# Altium PCB Arduino_FPGA_Shield.PcbDoc (part 1 of 2)
Units mil, origin at the board's own origin, x right, y up, seen from the top; angles counter-clockwise.
Board outline 2700 x 2100 mil, 4 copper layers (Top, PWR, GND, Bottom), stack 79.645 mil thick; 120 components, 174 nets, 571 pads, 258 vias.
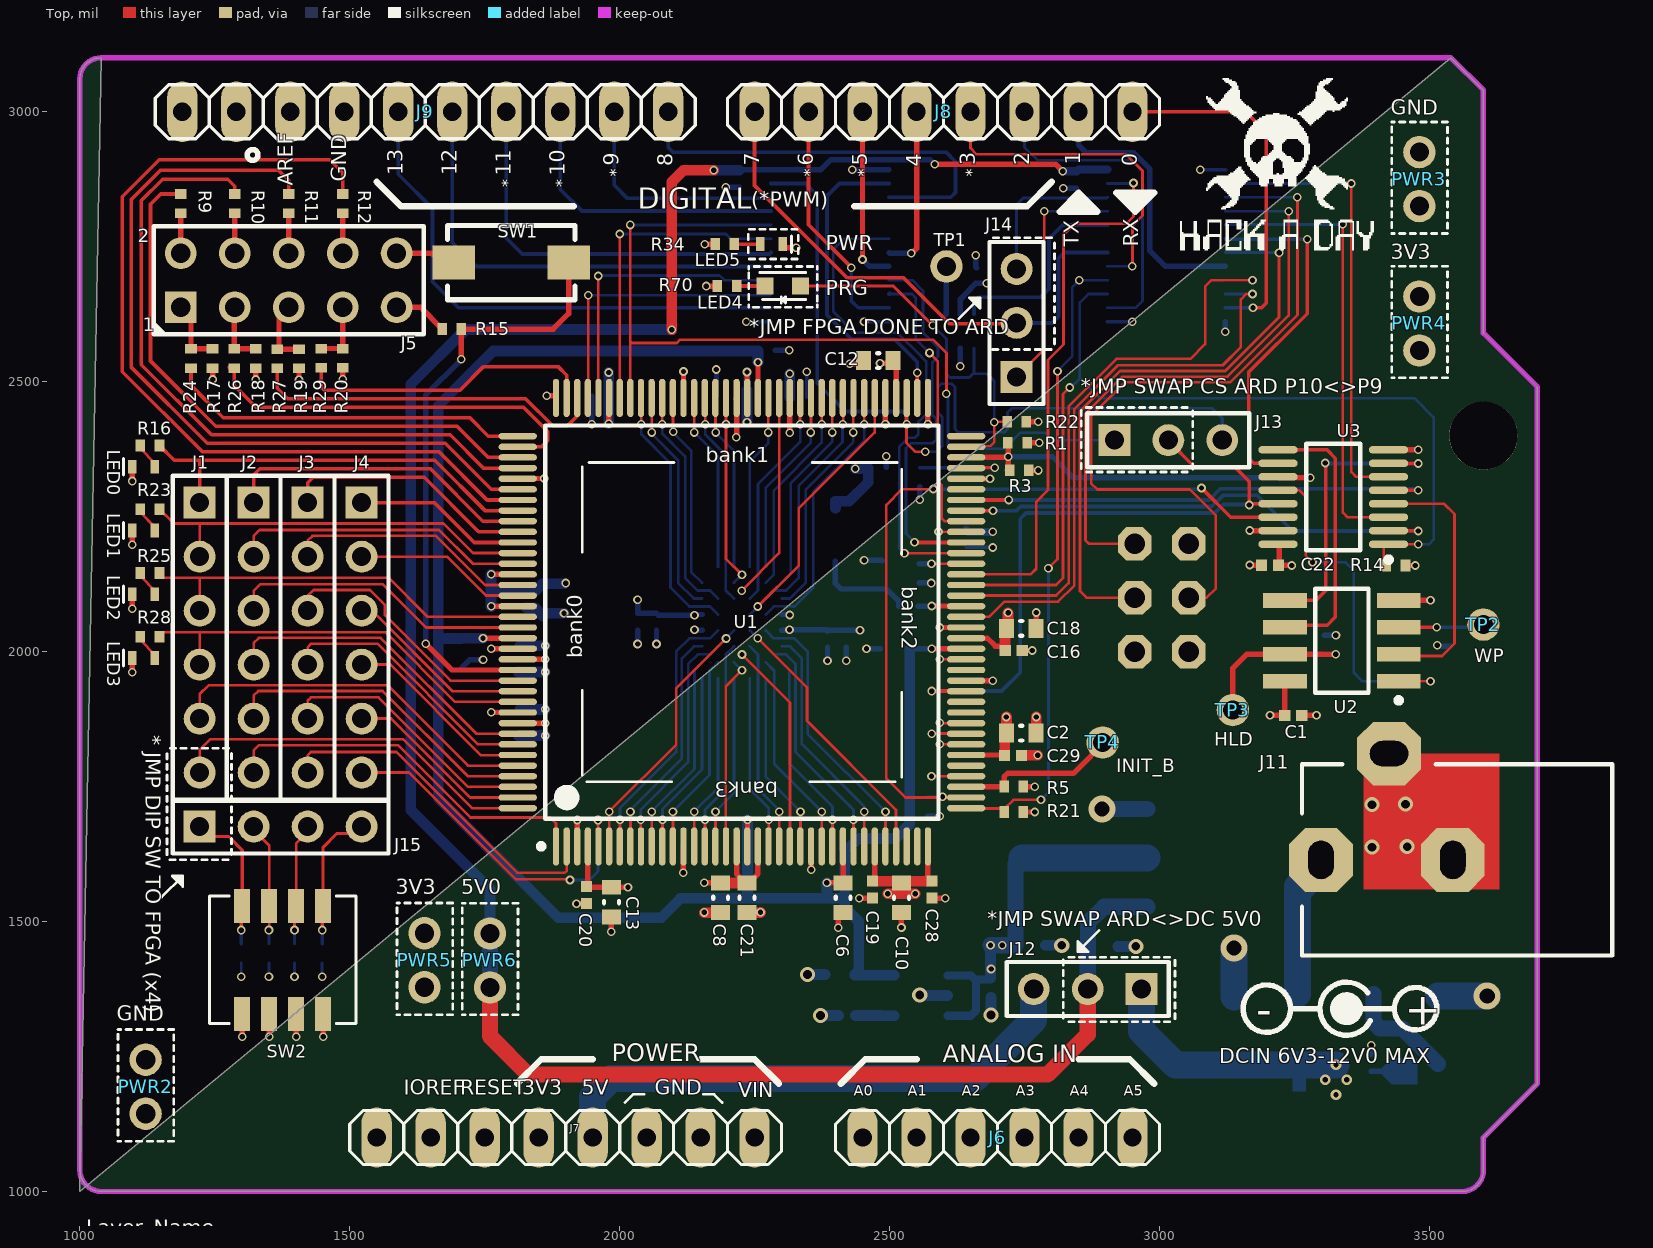
[diagram p0: Top view]
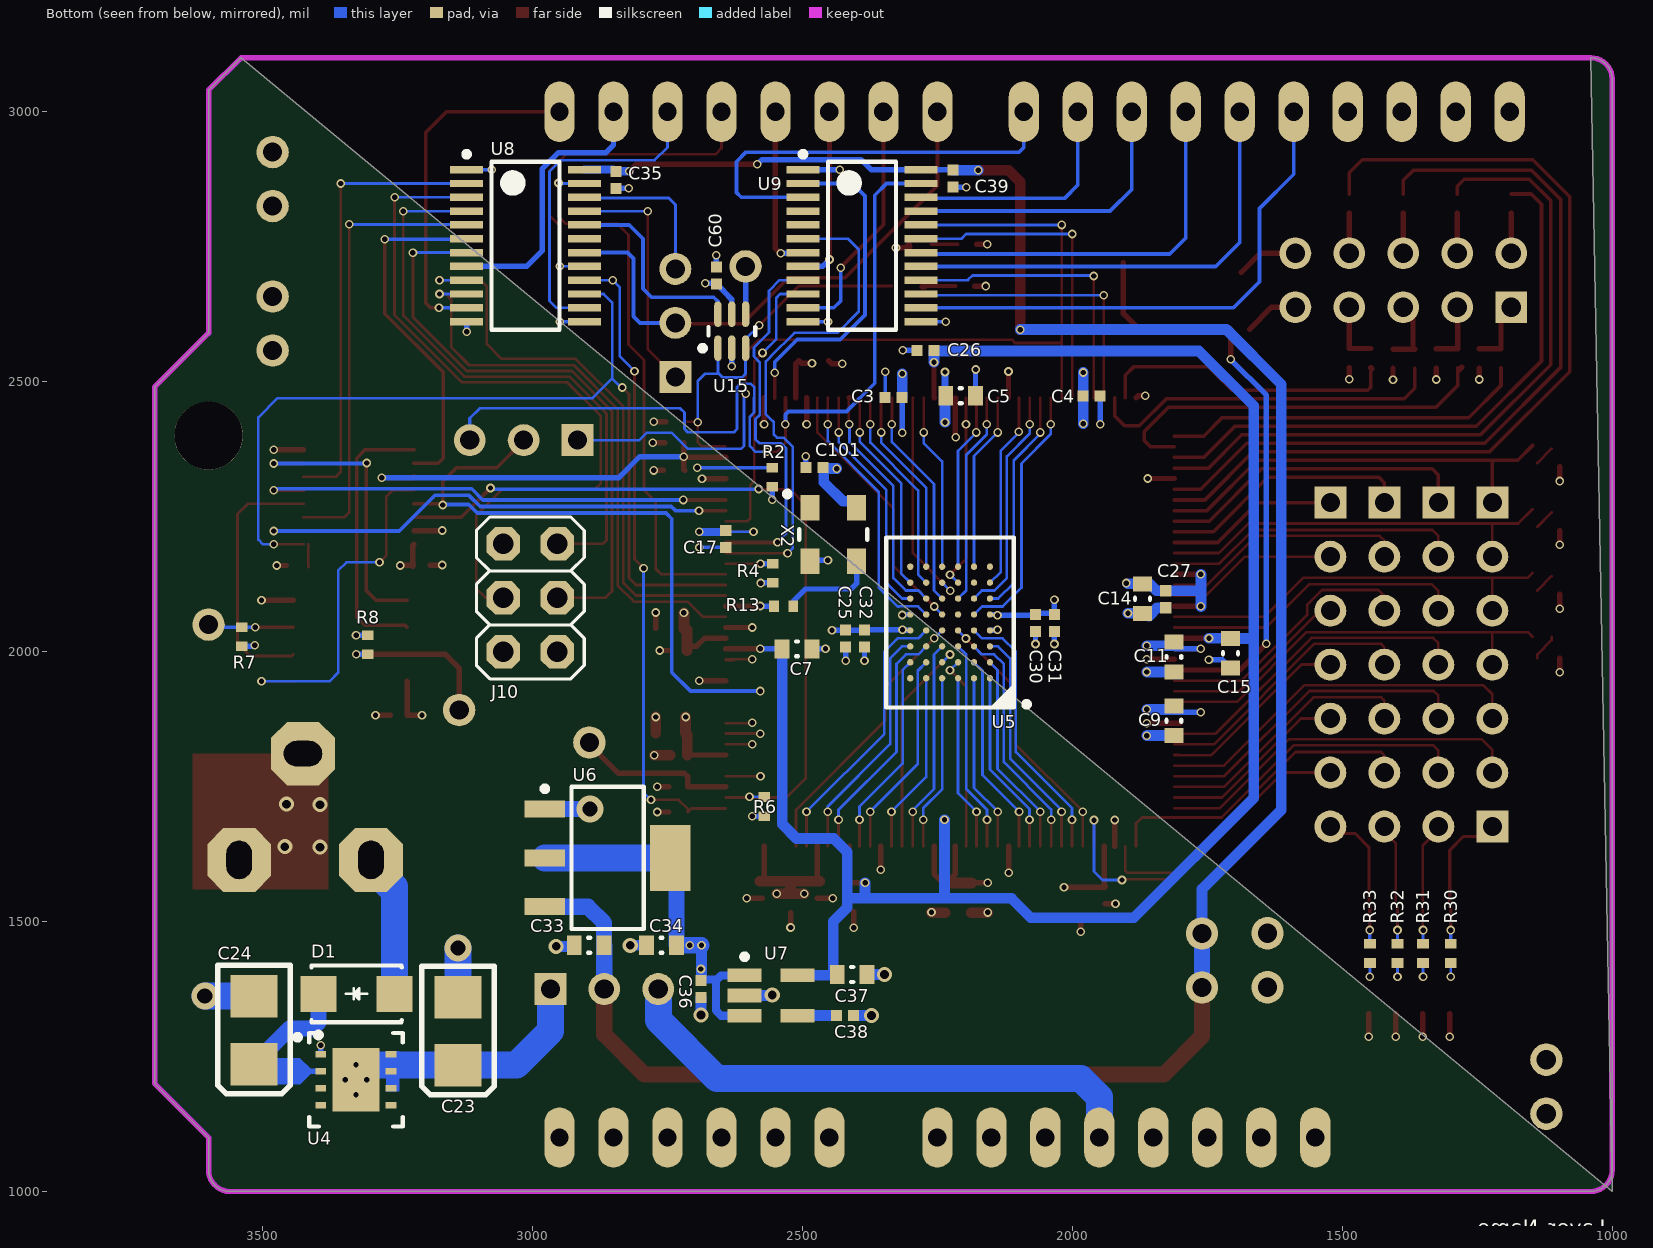
[diagram p1: Bottom view, seen from below]
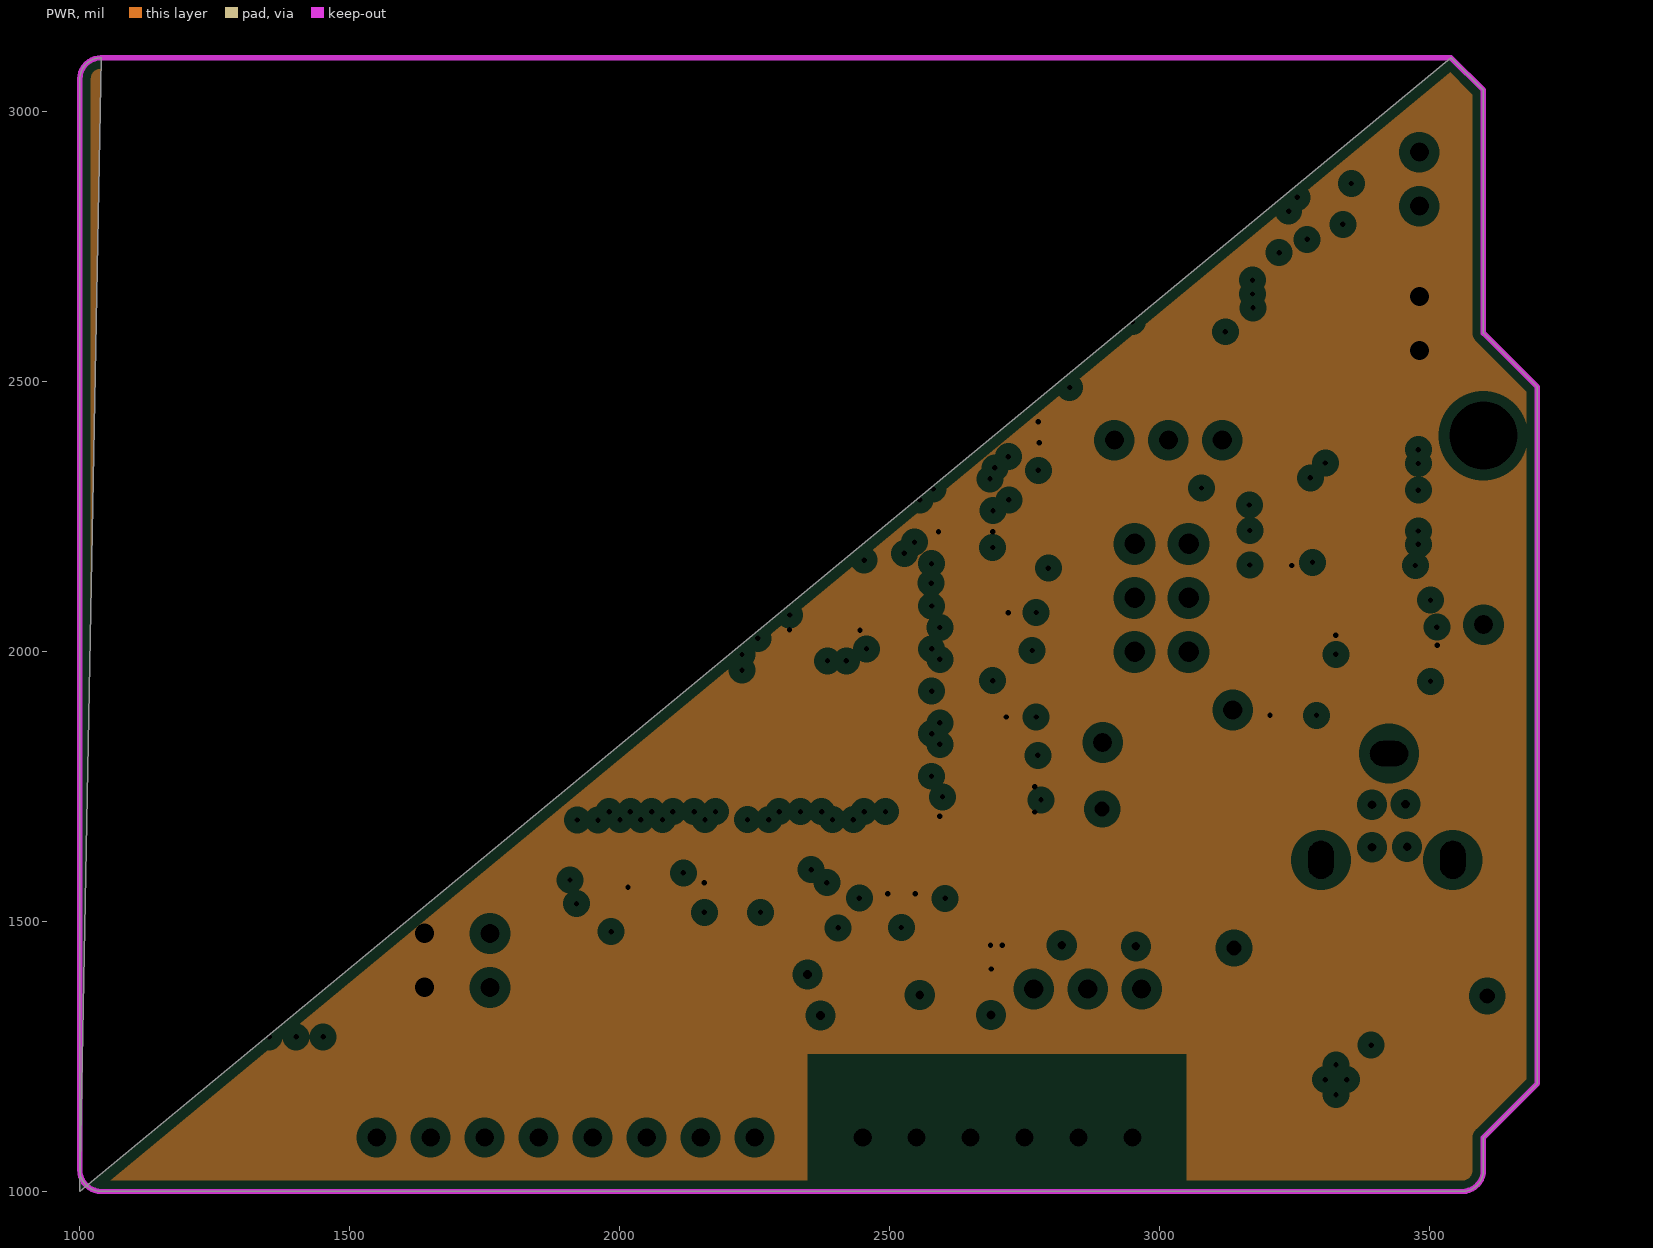
[diagram p2: PWR, clearances drawn from the general rule]
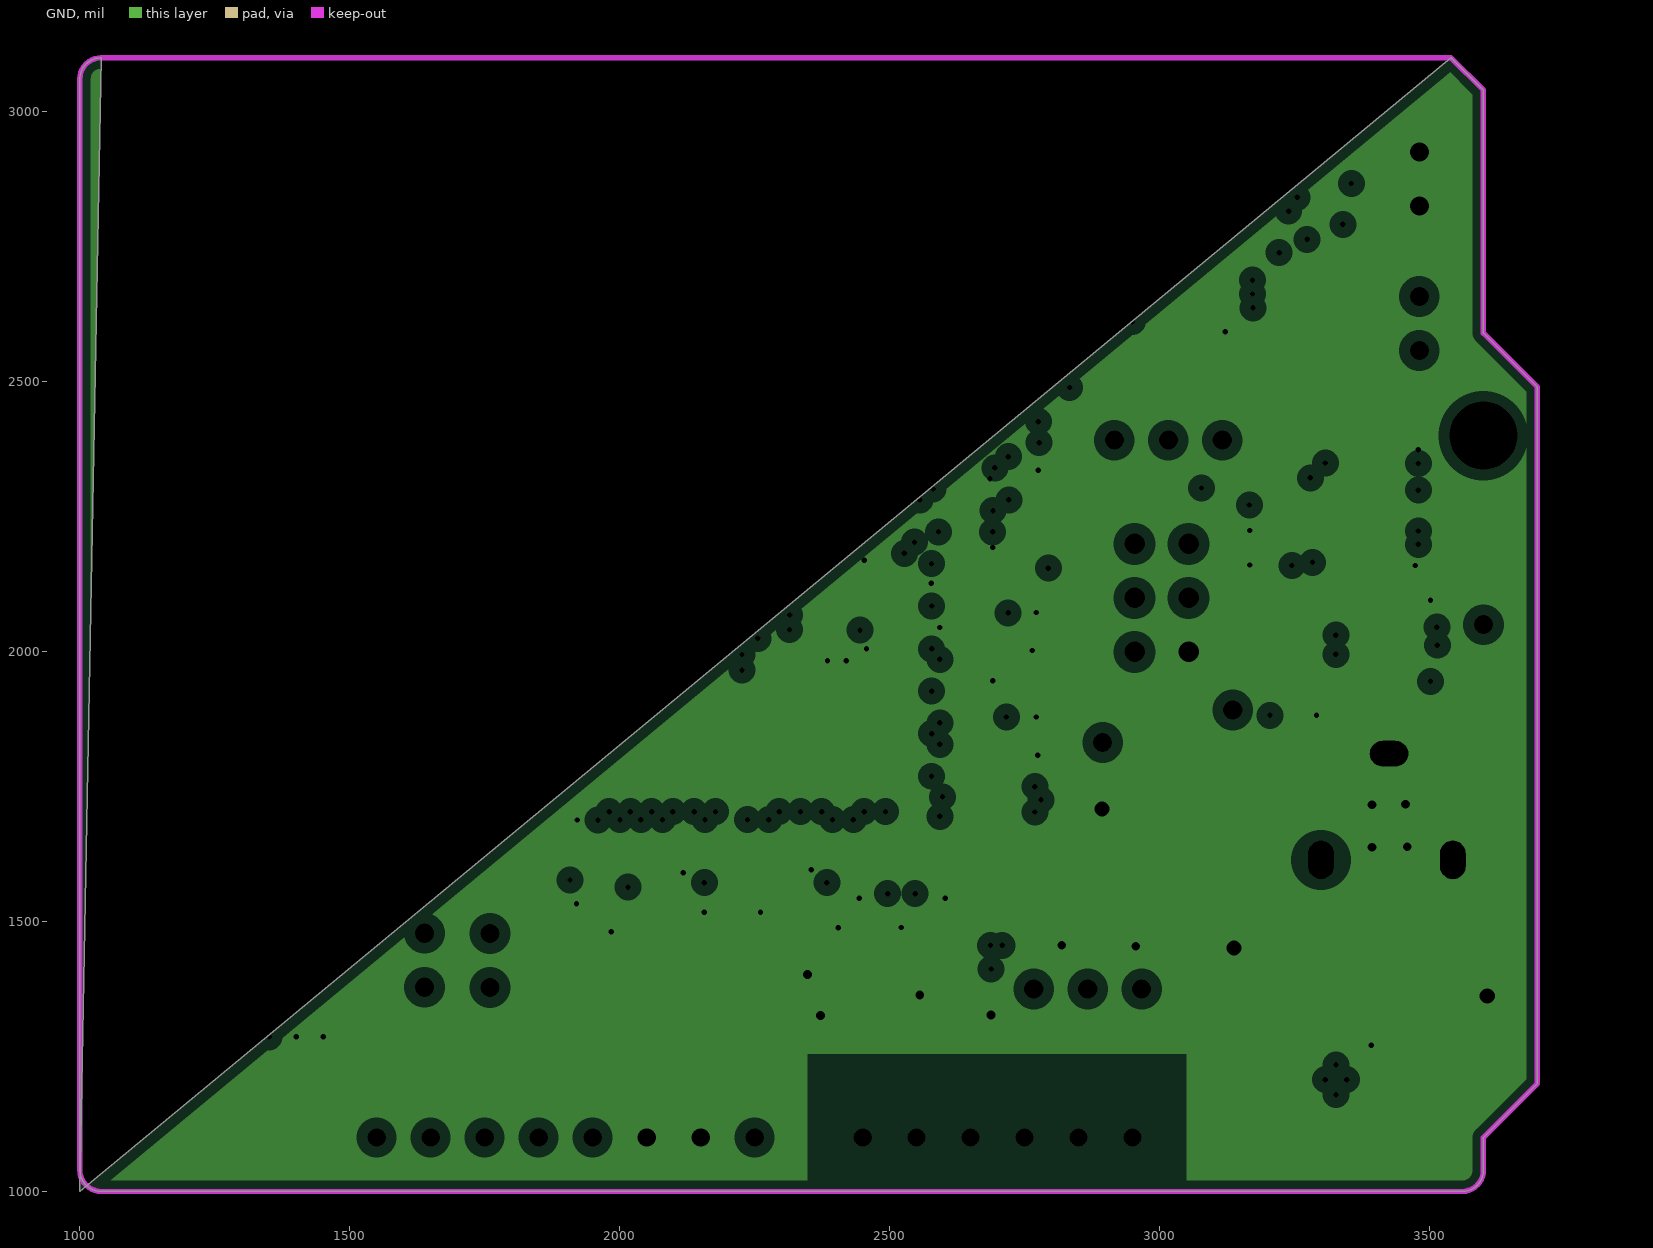
[diagram p3: GND, clearances drawn from the general rule]

## Layer stack, top to bottom
Top Solder: solder mask 0.4, Solder Resist, Dk 3.5
Top: signal copper 1.378
Dielectric1: core 59.055, FR-4, Dk 4.8
PWR: plane copper 1.417
Dielectric6: prepreg 5, Dk 4.2
GND: plane copper 1.417
Dielectric5: core 10, Dk 4.2
Bottom: signal copper 1.378
Bottom Solder: solder mask 0.4, Solder Resist, Dk 3.5

## Board outline
1000,1000 3540,3100 3600,3040 3600,2590 3700,2490 3700,1200 3600,1100 3600,1040 cw(c3560.5,1039.5) 3561,1000 1040,1000 cw(c1040,1040) 1000,1040 1000,3061 cw(c1039.5,3060.5)

## Design rules (kind name [scope] priority, off if disabled: settings)
Clearance [All] p1: gap=5.39
ComponentClearance ComponentClearance_Arrays [InComponentClass('JumperArray') vs InComponentClass('JumperArray')] p1: gap=0 collisioncheckmode=3 verticalgap=0 showdistances=FALSE
ComponentClearance ComponentClearance_LEDS [InComponentClass('LEDS') vs InComponentClass('LEDS')] p2: gap=5 collisioncheckmode=3 verticalgap=5 showdistances=FALSE
ComponentClearance [All] p3: gap=10 collisioncheckmode=3 verticalgap=10 showdistances=FALSE
HoleSize [All] p1: absolutevalues=TRUE maxlimit=100000 minlimit=7 maxpercent=80.000 minpercent=20.000
HoleToHoleClearance [All] p1: gap=8 allowstackedmicrovias=TRUE
MinimumSolderMaskSliver [All] p1 off: minsoldermaskwidth=10
PasteMaskExpansion [All] p1: expansion=2
PlaneClearance [All] p1: clearance=20
PlaneConnect PlaneConnect_1 [IsVia And (AsMM(ViaDiameter) = 0.405)] p1: planeconnectstyle=NoConnect reliefexpansion=20 reliefentries=4 reliefconductorwidth=10 reliefairgap=10
PlaneConnect [All] p2: planeconnectstyle=Relief reliefexpansion=20 reliefentries=4 reliefconductorwidth=10 reliefairgap=10
PolygonConnect ThermalVias [IsVia] p1: connectstyle=Direct reliefconductorwidth=10 reliefentries=4 polygonreliefangle="90 Angle" airgapwidth=10
PolygonConnect [All] p2: connectstyle=Relief reliefconductorwidth=10 reliefentries=4 polygonreliefangle="90 Angle" airgapwidth=10
RoutingVias [All] p1: holewidth=10 width=16 viastyle="Through Hole" minholewidth=10 minwidth=16 maxholewidth=28 maxwidth=48
SilkToSilkClearance [All] p1 off: silktosilkclearance=10
SilkToSolderMaskClearance [IsPad] p1 off: minsilkscreentomaskgap=10 clearancetoexposedcopper=TRUE
SolderMaskExpansion [All] p1: expansion=1
Width POWER [InNetClass('POWER')] p1: maxlimit=100 minlimit=10 preferedwidth=10
Width [All] p2: maxlimit=100 minlimit=5 preferedwidth=5
21 further rules are at their usual default settings.

## Classes and differential pairs
component class LEVEL_XSLATE: C35 C39 J13 J14 U8 U9
component class JumperArray: J1 J2 J3 J4 J15
component class "Power - 3V3": C33 C34 U6
net class SRAM0_D[15..0]: SRAM0_D0 SRAM0_D1 SRAM0_D2 SRAM0_D3 SRAM0_D4 SRAM0_D5 SRAM0_D6 SRAM0_D7 SRAM0_D8 SRAM0_D9 SRAM0_D10 SRAM0_D11 SRAM0_D12 SRAM0_D13 SRAM0_D14 SRAM0_D15
net class SRAM0_A[17..0]: SRAM0_A0 SRAM0_A1 SRAM0_A2 SRAM0_A3 SRAM0_A4 SRAM0_A5 SRAM0_A6 SRAM0_A7 SRAM0_A8 SRAM0_A9 SRAM0_A10 SRAM0_A11 SRAM0_A12 SRAM0_A13 SRAM0_A14 SRAM0_A15 SRAM0_A16 SRAM0_A17
component class SRAM0: C25 C30 C31 C32 U5
component class "SPI MUX": C22 U3
component class FLASH_MEMORY: C1 R7 R8 U2
component class POWER: C23 C24 D1 J11 J12 U4
component class "Arduino FPGA Top-Level Interface": J1 J2 J3 J4 J5 J6 J7 J8 J9 J10 J15 LED0 LED1 LED2 LED3 PWR2 PWR3 PWR4 PWR5 PWR6 R16 R23 R25 R28 R30 R31 R32 R33 SW2 TP1 TP2 TP3 TP4
component class "U_FPGA - Decoupling": C2 C3 C4 C5 C6 C7 C8 C9 C10 C11 C12 C13 C14 C15 C16 C17 C18 C19 C20 C21 C26 C27 C28 C29
component class FPGA_SUBSYSTEM: R1 R2 R3 R4 R5 R6 R9 R10 R11 R12 R17 R18 R19 R20 R21 R22 R24 R26 R27 R29 U1
component class "ARDUINO FPGA DESIGN": C101 R13 R14 R15 SW1 X2
component class "Power - 1V2": C36 C37 C38 U7
component class LEDS: C60 LED4 LED5 R34 R70 U15

## Components (designator, comment, footprint, x,y, rotation, side; value= is the part's Value field where it differs from the comment)
C1 "CAP 100nF 16V 0402(1005)" CAPC0402(1005)60_L 3247.72,1882.06 r0 top
C2 "CAP 4.7uF 10V 0603(1608)" CAPC0603(1608)55_L 2744,1849 r0 top
C3 "CAP 470nF 10V 0402(1005)" CAPC0402(1005)60_L 2331,2471 r180 bottom
C4 "CAP 470nF 10V 0402(1005)" CAPC0402(1005)60_L 1964.25,2473.35 r0 bottom
C5 "CAP 4.7uF 10V 0603(1608)" CAPC0603(1608)55_L 2207,2474 r180 bottom
C6 "CAP 4.7uF 10V 0603(1608)" CAPC0603(1608)55_L 2414,1544 r270 top
C7 "CAP 4.7uF 10V 0603(1608)" CAPC0603(1608)55_L 2510,2005 r180 bottom
C8 "CAP 4.7uF 10V 0603(1608)" CAPC0603(1608)55_L 2187,1544 r270 top
C9 "CAP 4.7uF 10V 0603(1608)" CAPC0603(1608)55_L 1812,1872 r270 bottom
C10 "CAP 4.7uF 10V 0603(1608)" CAPC0603(1608)55_L 2522,1544 r270 top
C11 "CAP 4.7uF 10V 0603(1608)" CAPC0603(1608)55_L 1812,1990 r270 bottom
C12 "CAP 4.7uF 10V 0603(1608)" CAPC0603(1608)55_L 2479,2539 r180 top
C13 "CAP 4.7uF 10V 0603(1608)" CAPC0603(1608)55_L 1985,1536 r270 top
C14 "CAP 4.7uF 10V 0603(1608)" CAPC0603(1608)55_L 1870,2098 r90 bottom
C15 "CAP 4.7uF 10V 0603(1608)" CAPC0603(1608)55_L 1707,1997 r270 bottom
C16 "CAP 470nF 10V 0402(1005)" CAPC0402(1005)60_L 2730,2002 r180 top
C17 "CAP 470nF 10V 0402(1005)" CAPC0402(1005)60_L 2642,2209 r90 bottom
C18 "CAP 4.7uF 10V 0603(1608)" CAPC0603(1608)55_L 2744,2043 r180 top
C19 "CAP 470nF 10V 0402(1005)" CAPC0402(1005)60_L 2468,1559 r90 top
C20 "CAP 470nF 10V 0402(1005)" CAPC0402(1005)60_L 1939,1549 r90 top
C21 "CAP 4.7uF 10V 0603(1608)" CAPC0603(1608)55_L 2236,1544 r90 top
C22 "CAP 100nF 16V 0402(1005)" CAPC0402(1005)60_L 3204.99,2159.99 r180 top
C23 "TAJB106K020R" AVX-CAPC3528_V 3138,1297 r90 bottom
C24 "TAJB106K020R" AVX-CAPC3528_V 3516,1299 r90 bottom
C25 "CAP 100nF 16V 0402(1005)" CAPC0402(1005)60_L 2420,2024 r270 bottom
C26 "CAP 470nF 10V 0402(1005)" CAPC0402(1005)60_L 2272,2558 r0 bottom
C27 "CAP 470nF 10V 0402(1005)" CAPC0402(1005)60_L 1827,2097 r270 bottom
C28 "CAP 470nF 10V 0402(1005)" CAPC0402(1005)60_L 2579,1559 r90 top
C29 "CAP 470nF 10V 0402(1005)" CAPC0402(1005)60_L 2729,1808 r180 top
C30 "CAP 100nF 16V 0402(1005)" CAPC0402(1005)60_L 2068,2053 r270 bottom
C31 "CAP 10nF 16V 0402(1005)" CAPC0402(1005)33_L 2033,2053 r270 bottom
C32 "CAP 10nF 16V 0402(1005)" CAPC0402(1005)33_L 2385,2024 r270 bottom
C33 "CAP 4.7uF 10V 0603(1608)" CAPC0603(1608)55_L 2895,1456 r0 bottom
C34 "CAP 4.7uF 10V 0603(1608)" CAPC0603(1608)55_L 2761,1456 r0 bottom
C35 "CAP 100nF 16V 0402(1005)" CAPC0402(1005)60_L 2845.47,2874.02 r90 bottom
C36 "CAP 1uF 16V 0402(1005)" CAPC0402(1005)60_L 2688,1375 r90 bottom
C37 "CAP 2.2uF 16V 0603(1608)" CAPC0603(1608)55_L 2408,1402 r0 bottom
C38 "CAP 10nF 16V 0402(1005)" CAPC0402(1005)33_L 2421,1326 r0 bottom
C39 "CAP 100nF 16V 0402(1005)" CAPC0402(1005)60_L 2221.46,2875.98 r90 bottom
C60 "CAP 100nF 10V 0402(1005)" CAPC0402(1005)60_L 2659.45,2696.85 r270 bottom
C101 "CAP 100nF 16V 0402(1005)" CAPC0402(1005)60_L 2478,2341 r0 bottom
D1 "S1G" DO-214AC 3326,1366 r0 bottom
J1 "HDR1X6X1" HDR1X6 1222,2276 r270 top
J2 "6-POS VERTICAL HEADER" HDR1X6 1322,2276 r270 top
J3 "6-POS VERTICAL HEADER" HDR1X6 1422,2276 r270 top
J4 "6-POS VERTICAL HEADER" HDR1X6 1522,2276 r270 top
J5 "Header 5X2" HDR2X5 1187,2638 r0 top
J6 "Header 6" 1X06 2700,1100 r0 top
J7 "Header 8" 1X08 1900,1100 r0 top
J8 "Header 8" 1X08 2600,3000 r180 top
J9 "Header 10" 1X10@1 1640,3000 r180 top
J10 "Header 3X2" 2X03 3003.94,2099.41 r270 bottom
J11 "PWR CONNECTOR" PJ-102AH 3299.21,1614.17 r0 top
J12 "3-WAY JUMPER" HDR1X3 2967,1375 r180 top
J13 "3-WAY JUMPER" HDR1X3 2916.34,2391.73 r0 top
J14 "3-WAY JUMPER" HDR1X3 2735.24,2508.86 r90 top
J15 "4-POS VERTICAL HEADER" HDR1X4 1222,1676 r0 top
LED0 "0402-LED-RED" LED_0402 1118.11,2342.52 r180 top
LED1 "0402-LED-RED" LED_0402 1118.11,2224.41 r180 top
LED2 "0402-LED-RED" LED_0402 1118.11,2106.3 r180 top
LED3 "0402-LED-RED" LED_0402 1118.11,1988.19 r180 top
LED4 "LED_GREEN_APT1608SGC" LED0603 2334.65,2677.17 r180 top
LED5 "0402-LED-RED" LED_0402 2281.5,2754.92 r0 top
PWR2 "Jumper" JMP1X2 1122.05,1244.09 r0 top
PWR3 "Jumper" JMP1X2 3481.3,2925.2 r0 top
PWR4 "Jumper" JMP1X2 3481.3,2657.87 r0 top
PWR5 "Jumper" JMP1X2 1638.63,1478.33 r0 top
PWR6 "Jumper" JMP1X2 1759.84,1477.95 r0 top
R1 "100R 1 0402" RESC0402(1005)40_L 2737,2387 r0 top
R2 "4K7 1 0402" RESC0402(1005)40_L 2556,2323 r270 bottom
R3 "100R 1 0402" RESC0402(1005)40_L 2739.94,2336 r180 top
R4 "1K 1 0402" RESC0402(1005)40_L 2555,2145 r90 bottom
R5 "4K7 1 0402" RESC0402(1005)40_L 2730,1750 r0 top
R6 "4K7 1 0402" RESC0402(1005)40_L 2571,1713 r270 bottom
R7 "4K7" RESC0402(1005)40_L 3538.39,2027.56 r270 bottom
R8 "4K7" RESC0402(1005)40_L 3305.43,2012.87 r90 bottom
R9 "33R 1 0402" RESC0402(1005)40_L 1187,2830 r90 top
R10 "33R 1 0402" RESC0402(1005)40_L 1287,2830 r90 top
R11 "33R 1 0402" RESC0402(1005)40_L 1387,2830 r90 top
R12 "33R 1 0402" RESC0402(1005)40_L 1487,2830 r90 top
R13 "33R 1 0402" RESC0402(1005)40_L 2535,2084 r180 bottom
R14 "4K7 1 0402" RESC0402(1005)40_L 3437.99,2159.45 r180 top
R15 "4K7 1 0402" RESC0402(1005)40_L 1688.98,2597.44 r180 top
R16 "270R 1 0402" RESC0402(1005)40_L 1129.92,2381.89 r0 top
R17 "4K7 1 0402" RESC0402(1005)40_L 1246,2543 r270 top
R18 "4K7 1 0402" RESC0402(1005)40_L 1326,2543 r270 top
R19 "4K7 1 0402" RESC0402(1005)40_L 1406,2542.72 r270 top
R20 "4K7 1 0402" RESC0402(1005)40_L 1487,2543.72 r270 top
R21 "4K7 1 0402" RESC0402(1005)40_L 2730,1703 r0 top
R22 "330R 1 0402" RESC0402(1005)40_L 2735.72,2426 r0 top
R23 "270R 1 0402" RESC0402(1005)40_L 1129.92,2263.78 r0 top
R24 "33R 1 0402" RESC0402(1005)40_L 1206,2543 r270 top
R25 "270R 1 0402" RESC0402(1005)40_L 1129.92,2145.67 r0 top
R26 "33R 1 0402" RESC0402(1005)40_L 1286,2543 r270 top
R27 "33R 1 0402" RESC0402(1005)40_L 1366,2542.72 r270 top
R28 "270R 1 0402" RESC0402(1005)40_L 1129.92,2027.56 r0 top
R29 "33R 1 0402" RESC0402(1005)40_L 1447,2543.72 r270 top
R30 "4K7 1 0402" RESC0402(1005)40_L 1299.21,1440.94 r270 bottom
R31 "4K7 1 0402" RESC0402(1005)40_L 1350.39,1440.94 r270 bottom
R32 "4K7 1 0402" RESC0402(1005)40_L 1397.64,1440.94 r270 bottom
R33 "4K7 1 0402" RESC0402(1005)40_L 1448.82,1440.94 r270 bottom
R34 "270R 1 0402" RESC0402(1005)40_L 2194.88,2754.92 r0 top
R70 "56R 1% 0402(1005)" RESC0402(1005)_L 2198.82,2677.17 r180 top
SW1 "ADTSM32RVTR" ADTSM32RVTR 1799.21,2720.47 r180 top
SW2 "CHS-04TA" CHS-04A1 1240.16,1311.02 r0 top
TP1 "TESTPOINT_TH" TESTPOINT_TH 2605.32,2713.58 r0 top
TP2 "TESTPOINT_TH" TESTPOINT_TH 3600,2050 r90 top
TP3 "TESTPOINT_TH" TESTPOINT_TH 3135.83,1891.73 r90 top
TP4 "TESTPOINT_TH" TESTPOINT_TH 2894.68,1831.69 r90 top
U1 "XC6SLX9-2TQG144C" TQG144_N 2226.59,2054.59 r90 top
U2 "S25FL216K0PMFI041" SPANSION-SOIC127P600X175-8M 3337.72,2020.06 r180 top
U3 "SN74CBTLV3257DBQR" TI-DBQ16_N 3321.85,2286.42 r180 top
U4 "LM1086ILD-3.3/NOPB" LDC08A 3327,1207 r180 bottom
U5 "IS61WV12816DBLL-10BLI" ISSI-TF-BGA-48-6000X8000DE 2226.47,2054 r0 bottom
U6 "AP2114H-3.3TRG1" SOT230P700X180-4L 2861,1618 r180 bottom
U7 "CAT6219-125TDGT3" ONSC-SOT23-5_M 2558,1363 r180 bottom
U8 "SN74CBTD3384CPWR" TSOP65P620X120-24N 3012.8,2751.97 r180 bottom
U9 "SN74CBTD3384CPWR" TSOP65P620X120-24N 2389.76,2751.97 r180 bottom
U15 "SN74LVC2G34DCKR" TI-DCK6_L 2630.91,2593.5 r90 bottom
X2 "KC5032A20.0000CM0E00" HOSC-L500HW320H105-4_2 2443,2217 r270 bottom
